# Altium PCB MB1297.PcbDoc (part 3 of 4)
Units mm, origin at the board's own origin, x right, y up, seen from the top; angles counter-clockwise.
Board outline 90.1 x 62.11 mm, 4 copper layers (Top Layer, GND, POWER+GND, Bottom Layer), stack 0.778 mm thick; 235 components, 174 nets, 1727 pads, 1 vias.
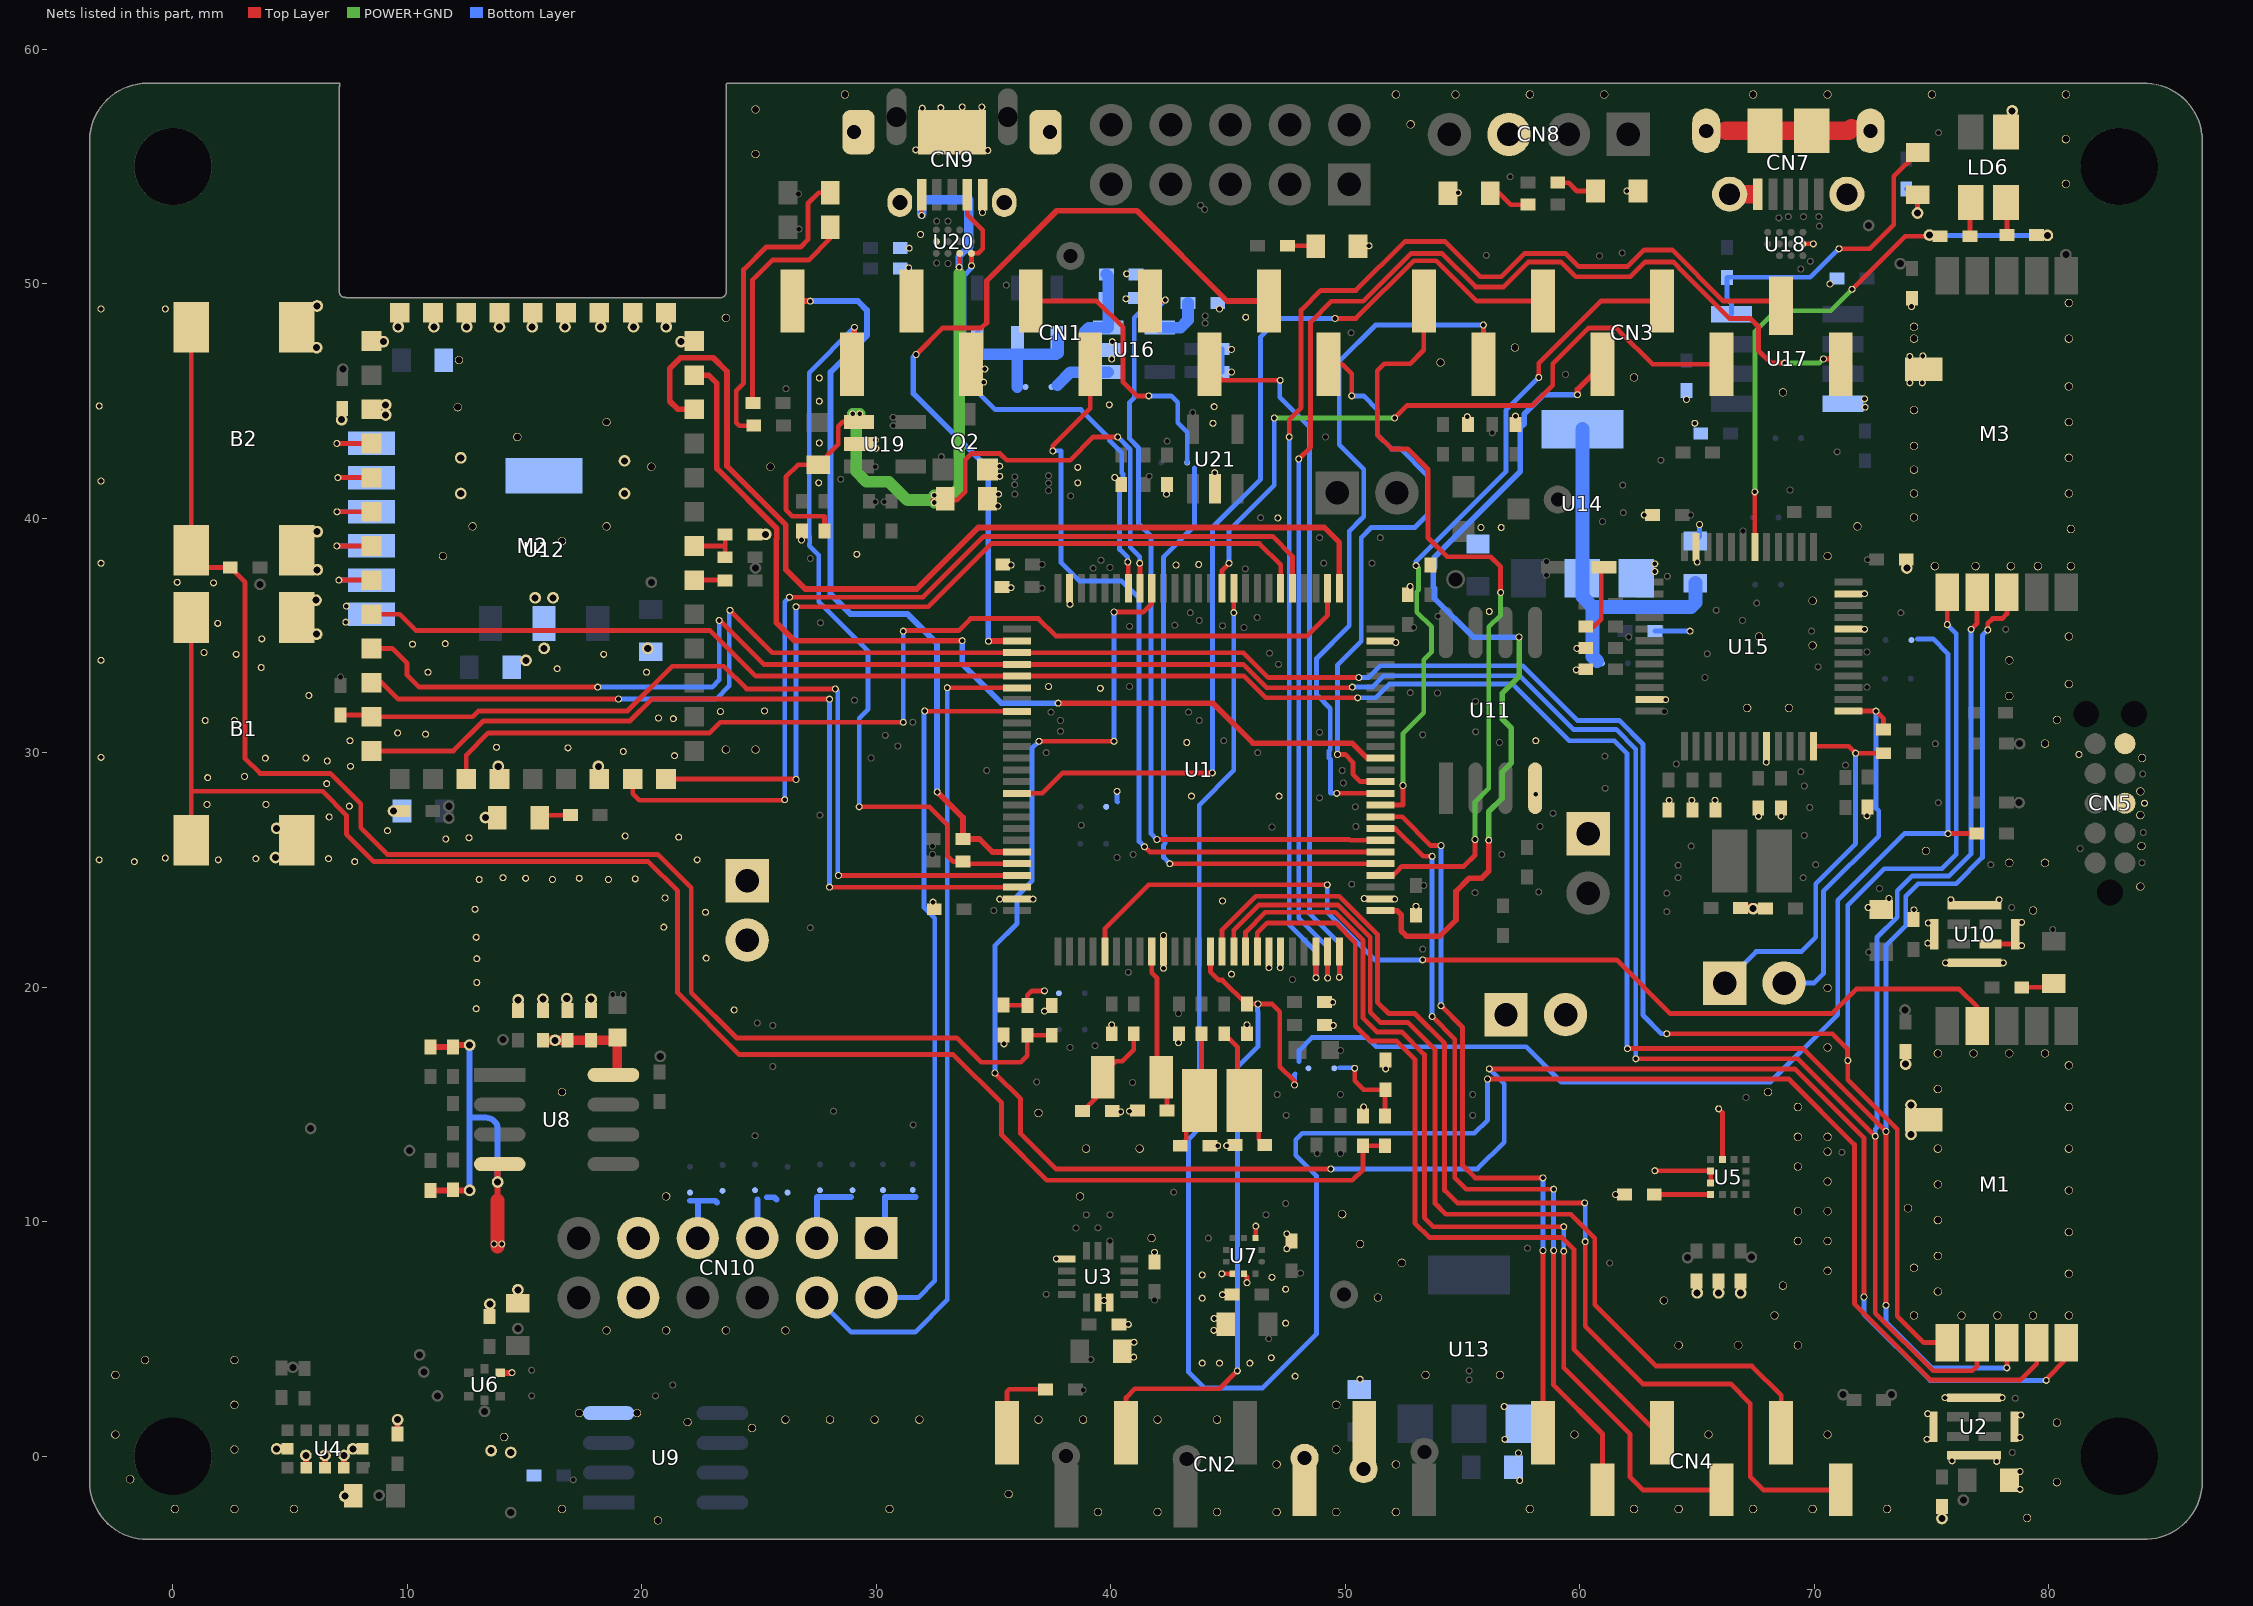
[diagram p5: the nets of this part, all layers, seen from the top]

## Via types
v1: diameter 0.4, hole 0.2, Top Layer to Bottom Layer, tented both sides, 1 vias

## Nets (pads, with @x,y where several pads share a name; then routed paths per layer and width w, separated by ;. In a path a pad name is that pad's centre, name@x,y a point inside that pad or via, vN(x,y) a via of type N, cw(c..) or ccw(c..) an arc to the next point about the centre after c; other vN are vias at no path point) (continued)
GND: B1.2 B2.2 C1.2 C2.2 C3.1 C4.2 C5.2 C6.1 C7.2 C8.1 C9.2 C10.2 C11.2 C12.2 C13.2 C14.2 C15.2 C16.2 C17.1 C18.2 C19.2 C20.2 C21.2 C22.2 C23.2 C24.2 C25.2 C26.2 C27.2 C28.2 C29.2 C30.2 C31.2 C32.2 C33.2 C34.2 C35.2 C36.2 C37.2 C38.2 C39.2 C40.2 C41.2 C42.2 C43.2 C44.2 C45.2 C46.2 C47.2 C48.2 C49.2 C50.2 C51.1 C52.1 C53.2 C54.2 C55.2 C56.2 C57.2 C58.2 C59.2 C60.2 C61.2 C62.2 C63.2 C64.2 C65.2 C66.2 C67.2 C68.2 C69.2 C71.2 C72.2 C73.2 C74.2 C75.2 C76.2 CN1.7 CN2.6 CN2.7 CN5.3 CN5.5 CN7.5 CN7.6 CN7.7 CN7.8 CN7.9 CN7.10 CN7.11 CN8.3 CN9.5 CN9.6 CN9.7 CN9.8 CN9.9 CN9.10 CN10.5 CN10.11 JP6.1 JP6.2 JP7.1 JP7.2 JP8.1 LD1.K LD2.K LD3.K LD5.K LD6.1 M1.6 M2.1 M2.3 M2.17 M2.20 M2.35 M2.36 M2.37 M2.38 M2.39 M2.40 M2.41 M2.42 M2.43 M2.44 M3.6 pad.0@13.569,0.233 pad.0@-3.068,48.925 pad.1@14.407,0.157 pad.1@-0.325,48.925 pad.2@13.518,6.482 pad.2@14.712,7.091 pad.2@-3.144,25.43 pad.3@13.328,27.234 pad.3@-0.325,25.506 pad.4@-1.646,25.354 pad.5@7.333,-1.71 pad.5@63.658,32.263 pad.5@-3.068,29.799 pad.6@7.397,36.251 pad.6@15.829,34.447 pad.6@72.141,36.784 pad.6@-3.068,33.939 pad.7@7.371,35.565 pad.7@7.673,0.31 pad.7@15.448,36.606 pad.7@72.141,35.26 pad.7@-3.068,38.079 pad.8@7.295,0.03 pad.8@16.21,36.606 pad.8@31.882,52.1 pad.8@67.95,29.596 pad.8@-3.068,41.585 pad.9@6.482,0.03 pad.9@12.273,42.575 pad.9@-3.144,44.785 pad.10@1.732,37.241 pad.10@5.669,0.03 pad.10@12.273,41.051 pad.10@65.004,38.13 pad.11@0.183,37.267 pad.11@4.425,0.31 pad.11@19.258,42.448 pad.11@62.743,40.137 pad.12@1.91,35.514 pad.12@9.581,1.554 pad.12@19.258,41.051 pad.13@1.478,28.935 pad.14@3.053,28.986 pad.15@1.377,31.374 pad.15@59.873,34.447 pad.15@69.957,51.7 pad.16@2.621,31.374 pad.16@8.971,47.528 pad.16@59.848,33.533 pad.17@1.326,34.269 pad.17@9.606,48.163 pad.18@2.698,34.193 pad.18@11.13,48.163 pad.19@6.558,28.681 pad.19@12.527,48.163 pad.19@74.148,49.027 pad.20@7.524,27.716 pad.20@13.924,48.163 pad.21@1.936,25.43 pad.21@15.321,48.163 pad.22@3.536,25.481 pad.22@16.718,48.163 pad.23@1.453,27.792 pad.23@18.242,48.163 pad.24@3.968,27.792 pad.24@12.654,17.531 pad.24@19.639,48.163 pad.25@6.66,27.259 pad.25@12.654,11.333 pad.25@21.036,48.163 pad.26@6.635,25.481 pad.26@13.848,11.689 pad.26@21.671,47.528 pad.27@7.752,25.354 pad.27@14.725,19.461 pad.28@13.061,24.592 pad.28@15.779,19.487 pad.28@25.278,39.311 pad.29@12.934,19.08 pad.29@16.795,19.512 pad.29@31.4,51.516 pad.30@12.959,20.198 pad.30@17.836,19.487 pad.31@12.959,21.214 pad.32@12.934,22.128 pad.33@12.883,23.322 pad.34@14.077,24.668 pad.35@15.042,24.643 pad.36@16.185,24.592 pad.37@17.328,24.643 pad.37@44.735,7.777 pad.38@18.573,24.592 pad.38@45.801,7.396 pad.39@19.716,24.617 pad.39@75.443,-2.662 pad.40@20.935,22.56 pad.41@20.986,23.805 pad.41@46.182,9.809 pad.42@9.149,26.675 pad.43@11.638,26.319 pad.43@44.76,6.888 pad.44@12.629,26.37 pad.44@44.404,5.872 pad.45@19.284,26.446 pad.45@44.392,5.364 pad.45@50.78,14.889 pad.45@84.079,27.843 pad.46@21.57,26.395 pad.46@51.72,16.515 pad.46@81.285,29.926 pad.47@22.357,25.43 pad.48@22.713,23.195 pad.48@48.264,-0.072 pad.48@50.779,-0.555 pad.49@22.738,21.239 pad.50@23.932,19.029 pad.50@40.988,4.856 pad.51@13.797,30.231 pad.51@40.975,4.221 pad.52@16.845,30.205 pad.52@40.747,5.618 pad.53@19.208,30.053 pad.54@21.392,29.875 pad.54@41.864,8.692 pad.55@20.706,31.475 pad.55@39.705,6.634 pad.55@40.264,28.351 pad.56@14.458,3.561 pad.56@21.341,31.45 pad.56@74.122,14.965 pad.57@14.026,9.047 pad.57@23.348,31.755 pad.57@37.673,8.412 pad.57@74.122,13.721 pad.58@13.696,9.047 pad.58@25.227,31.78 pad.58@73.894,16.718 pad.59@20.198,33.431 pad.59@51.008,51.618 pad.59@74.072,46.893 pad.60@16.388,33.584 pad.60@74.63,46.919 pad.61@18.369,34.193 pad.61@50.805,23.779 pad.61@74.072,45.776 pad.62@10.876,33.431 pad.62@52.101,23.754 pad.62@74.605,45.776 pad.63@11.613,34.65 pad.63@53.015,23.449 pad.63@64.547,45.064 pad.64@10.216,34.625 pad.64@40.671,50.424 pad.64@58.12,30.51 pad.64@64.902,44.048 pad.65@3.942,29.768 pad.65@40.645,49.357 pad.65@58.12,28.224 pad.65@72.141,45.09 pad.66 pad.67@5.796,32.441 pad.67@45.141,46.233 pad.68@3.764,33.634 pad.69@3.79,34.854 pad.69@46.741,20.833 pad.69@52.151,34.701 pad.70@6.584,29.647 pad.70@56.8,0.716 pad.70@65.004,6.964 pad.71@7.574,29.418 pad.71@56.774,2.113 pad.71@65.918,6.964 pad.72@7.549,30.51 pad.72@57.384,0.132 pad.72@66.858,6.964 pad.73@9.581,30.84 pad.73@57.435,-1.037 pad.74@10.775,30.79 pad.74@56.647,39.603 pad.75@39.553,32.745 pad.75@55.784,39.603 pad.76@37.343,32.822 pad.76@72.294,23.398 pad.77@73.183,23.779 pad.78@74.249,23.297 pad.80@74.859,22.738 pad.81@73.945,37.876 pad.81@74.84,21.874 pad.82@31.958,57.485 pad.82@67.391,23.347 pad.82@75.824,23.728 pad.83@32.746,57.51 pad.83@77.882,23.728 pad.84@7.193,44.201 pad.84@34.498,57.536 pad.84@78.84,22.763 pad.85@9.073,44.836 pad.85@34.752,55.682 pad.85@78.84,21.773 pad.86@9.073,44.404 pad.86@31.679,55.707 pad.86@75.596,21.036 pad.87@33.66,57.536 pad.87@78.059,21.036 pad.88@15.055,33.939 pad.88@34.524,53.04 pad.89@20.249,34.447 pad.89@34.625,46.36 pad.89@75.57,2.494 pad.90@34.575,45.801 pad.90@78.009,2.494 pad.91@9.403,27.513 pad.91@63.2,12.171 pad.91@78.807,1.757 pad.92@13.874,29.418 pad.92@65.918,14.813 pad.92@78.771,0.792 pad.93@18.141,29.418 pad.93@35.438,17.582 pad.94@4.425,26.776 pad.94@37.165,18.979 pad.95@4.374,25.532 pad.95@74.834,1.808 pad.96 pad.97@6.127,35.057 pad.97@38.258,36.327 pad.97@75.875,-0.198 pad.98 pad.99@6.152,37.8 pad.99@78.771,-0.656 pad.100 pad.101@6.127,47.274 pad.101@50.627,3.281 pad.105@47.452,7.117 pad.106@47.452,5.669 pad.106@72.243,27.31 pad.107@46.868,7.625 pad.107@67.62,27.284 pad.107@78.44,57.37 pad.108@43.896,7.726 pad.108@68.585,27.284 pad.109@43.896,6.736 pad.109@65.766,27.97 pad.110@43.896,3.967 pad.110@64.775,27.97 pad.111@44.633,3.967 pad.111@63.81,27.97 pad.112@42.245,22.204 pad.112@45.928,3.967 pad.113@42.245,20.807 pad.113@46.843,4.196 pad.114 pad.115@45.141,20.553 pad.115@49.459,19.36 pad.116@44.76,23.678 pad.116@49.484,18.369 pad.117@47.173,28.148 pad.118 pad.119 pad.120 pad.121@40.036,18.394 pad.121@43.744,38.029 pad.122 pad.123 pad.124 pad.125 pad.126@44.354,44.048 pad.126@54.818,53.878 pad.127 pad.128@35.743,37.038 pad.128@45.751,48.57 pad.129@27.564,45.979 pad.130@27.564,44.988 pad.131@27.564,43.21 pad.132@27.539,41.508 pad.133@29.164,38.46 pad.136@35.26,23.754 pad.137@36.683,23.754 pad.142 pad.143@52.761,37.089 pad.149@61.524,11.155 pad.173 pad.175 pad.217 pad.218 pad.219 pad.222 pad.225 pad.226 pad.231 pad.232 pad.233 pad.234 pad.235 pad.236 pad.237 pad.249 pad.250 pad.251 pad.252 pad.253 pad.254 pad.255 pad.256 pad.257 pad.258 pad.259 pad.260 pad.261 pad.262 pad.263 pad.264 pad.265 pad.266 pad.267 pad.268 pad.269 pad.270 pad.271 pad.272 pad.273 pad.274 pad.275 pad.276 pad.277 pad.278 pad.279 pad.280 pad.281 pad.282 pad.283 pad.284 pad.285 pad.286 pad.287 pad.288 pad.289 pad.290 pad.291 pad.292 pad.293 pad.294 pad.295 pad.296 pad.297 pad.298 pad.299 pad.300 pad.301 pad.302 pad.303 pad.304 pad.305 pad.306 pad.307 pad.308 pad.309 pad.310 pad.311 pad.312 pad.313 pad.314 pad.315 pad.316 pad.317 pad.318 pad.319 pad.320 pad.321 pad.322 pad.327 pad.328 pad.329 pad.330 pad.331 pad.332 pad.333 pad.334 pad.335 pad.336 pad.337 pad.338 pad.339 pad.340 pad.341 pad.342 pad.343 pad.344 pad.345 pad.346 pad.347 pad.348 pad.349 pad.350 pad.351 pad.352 pad.353 pad.354 pad.355 pad.356 pad.357 pad.358 pad.359 pad.360 pad.361 pad.362 pad.363 pad.364 pad.365 pad.366 pad.367 pad.368 pad.369 pad.370 pad.371 pad.372 pad.373 pad.374 pad.375 pad.376 pad.377 pad.378 pad.379 pad.380 pad.381 pad.382 pad.383 pad.384 pad.385 pad.386 pad.387 pad.388 pad.389 pad.390 pad.391 pad.392 pad.393 pad.394 pad.395 pad.396 pad.397 pad.398 pad.399 pad.400 pad.401 pad.402 pad.403 pad.404 pad.405 pad.406 pad.407 pad.408 pad.409 pad.410 pad.411 pad.412 pad.413 pad.414 pad.415 pad.416 pad.417 pad.418 pad.420 pad.421 pad.422 pad.423 pad.424 pad.425 pad.426 pad.427 pad.428 pad.429 pad.430 pad.431 pad.432 pad.433 pad.434 Q2.2 R1.1 R27.2 R29.2 R31.2 R36.2 R38.1 R41.2 R46.1 R53.1 R54.2 R59.1 R64.2 SB13.1 TP6.1 U1.10 U1.19 U1.20 U1.27 U1.49 U1.74 U1.99 U2.5 U3.1 U3.6 U3.7 U4.2 U4.3 U4.4 U4.6 U4.12 U5.2 U5.3 U5.12 U6.5 U7.3 U7.8 U7.9 U8.4 U9.4 U10.2 U10.5 U11.4 U12.2 U13.1 U14.1 U15.8 U15.20 U15.23 U15.35 U15.47 U16.2 U17.4 U18.D2 U19.2 U20.D2 U21.2 | length 39.4
  Top Layer w0.2: U10.2@77.515,21.841 78.499,21.841 78.542,21.798 U10.5@78.542,21.841
  Top Layer w0.204: pad.37@44.735,7.777 U7.8@45.174,7.777 ; U7.9@45.674,7.777 45.801,7.65 pad.38@45.801,7.396 ; U7.3@46.174,9.302 pad.41@46.174,9.801 ; pad.91@63.2,12.171 65.579,12.171 U5.3@65.579,11.654 ; pad.92@65.918,14.813 66.079,14.653 U5.12@66.079,12.654 ; U18.D2@69.526,51.701 pad.15@69.894,51.701
  Top Layer w0.254: pad.11@4.425,0.31 U4.6@4.882,0.31 ; U4.4@5.669,-0.478 pad.10@5.669,0.03 ; U4.3@6.482,-0.49 pad.9@6.482,0.03 ; U4.2@7.295,-0.478 pad.8@7.295,0.03 ; pad.7@7.673,0.31 U4.12@8.082,0.31 ; C22.2@9.581,0.945 pad.12@9.581,1.554 ; C72.2@10.978,11.333 pad.25@12.654,11.333 ; C69.2@10.978,17.455 C53.2@11.943,17.455 12.019,17.531 pad.24@12.654,17.531 ; pad.0@13.569,0.233 pad.0@13.574,0.228 ; 13.848,10.901 pad.26@13.848,11.689 13.848,12.234 cw(c14.154,12.234) U8.4@13.938,12.451 ; U6.5@13.964,3.553 14.45,3.553 pad.56@14.458,3.561
  Top Layer w0.4: C52.1@66.858,23.373 67.899,23.373 C51.1@67.925,23.347
  Top Layer w0.6: 13.848,8.946 13.848,10.901
  Top Layer w0.8: 66.248,56.52 71.481,56.52 71.582,56.621 ; CN7.7@66.39,53.818 67.341,53.818
  Bottom Layer w0.204: pad.55@40.264,28.351 40.264,27.919 40.29,27.894 ; C55.2@44.735,46.233 C59.2@44.735,47.223 ; C42.2@63.2,35.184 pad.222@64.699,35.184 ; C41.2@64.928,39.032 65.105,39.21 pad.217@65.105,39.73
  Bottom Layer w0.254: pad.25@12.654,11.333 12.654,14.432 ; pad.24@12.654,17.531 12.654,14.432 ; pad.26@13.848,11.689 13.848,13.973 ccw(c13.415,13.973) 13.721,14.28 ccw(c13.353,13.912) 13.353,14.432 12.654,14.432
LDO_3V3: C41.1 SB4.1 U14.2 U14.4 | length 15.4
  Bottom Layer w0.6: U14.4@60.106,43.794 U14.2@60.106,37.444 60.106,36.653 60.541,36.217 ; 60.737,33.914 60.541,34.109 60.541,36.217 ; C41.1@64.928,37.228 64.928,36.403 64.742,36.217 60.541,36.217
LED_STLINK: pad.18@67.464,41.123 pad.110@74.91,52.075 pad.111@79.939,52.062 pad.238 R44.1 R47.1 U15.30 | length 23.3
  Top Layer w0.204: U15.30@67.464,38.773 pad.18@67.464,41.123 ; pad.238@71.608,49.763 73.872,52.027 74.862,52.027 pad.110@74.91,52.075
  POWER+GND w0.204: pad.18@67.468,41.178 67.468,47.96 68.357,48.849 70.693,48.849 pad.238@71.608,49.763
  Bottom Layer w0.204: pad.110@74.91,52.075 74.923,52.062 pad.111@79.939,52.062
NetB1_1: B1.1 C35.1 R19.2 | length 73.2
  Top Layer w0.204: B1.1@0.778,26.268 0.778,28.351 ; B1.1@1.438,36.428 B1.1@0.778,35.768 0.778,28.351 ; R19.2@51.694,13.238 C35.1@50.754,13.238 50.754,12.222 50.297,11.765 37.267,11.765 35.337,13.695 35.337,15.067 33.279,17.124 24.161,17.124 21.519,19.766 21.519,24.109 20.274,25.354 8.565,25.354 7.397,26.522 7.397,27.335 6.381,28.351 0.778,28.351
NetB2_1: B2.1 C37.1 R23.1 R24.2 | length 63.9
  Top Layer w0.204: B2.1@0.778,48.138 B2.1@0.778,38.638 1.514,37.902 R23.1@2.444,37.902 3.079,37.267 3.079,29.748 3.714,29.113 6.711,29.113 8.006,27.818 8.006,26.802 9.148,25.66 20.68,25.66 22.103,24.236 22.103,19.766 24.034,17.836 33.432,17.836 34.473,16.794 36.149,16.794 36.438,17.082 R24.2@36.438,17.952 C37.1@37.479,17.952
NetC2_1: C2.1 R5.2 X1.2 | length 5.3
  Top Layer w0.204: C2.1@42.957,13.238 43.211,13.492 43.211,14.595 X1.2@43.785,15.169 ; X1.2@43.505,15.143 43.871,15.509 R5.2@43.871,18.013
NetC3_2: C3.2 CN2.3 pad.35@45.395,3.637 pad.36@46.271,19.283 pad.43@47.833,15.829 pad.72@75.697,26.548 R34.2 SB2.1 SB8.1 U1.14 | length 78
  Top Layer w0.204: CN2.3@40.646,1.001 40.646,2.495 41.026,2.875 44.633,2.875 pad.35@45.395,3.637 ; U1.14@44.244,21.516 44.244,20.663 44.606,20.301 44.76,20.301 45.777,19.283 C3.2@45.801,19.283 pad.36@46.271,19.283 46.868,19.283 47.199,18.952 47.199,16.616 47.833,15.981 pad.43@47.833,15.829 ; pad.72@75.697,26.548 R34.2@76.929,26.548
  Bottom Layer w0.204: pad.35@45.395,3.637 45.395,16.591 46.271,17.467 46.271,18.962 46.256,18.977 46.256,19.268 pad.36@46.271,19.283 ; pad.43@47.833,15.829 47.833,16.286 47.859,16.312 ; 48.024,16.82 48.024,17.298 48.574,17.849 50.919,17.849 51.312,17.456 57.712,17.456 59.213,15.956 68.128,15.956 70.998,18.826 70.998,23.71 73.836,26.548 pad.72@75.697,26.548 75.697,34.219 75.062,34.854 74.402,34.854
NetC4_1: C4.1 R7.2 X1.1 | length 5.4
  Top Layer w0.204: R7.2@44.836,18.013 45.405,17.444 X1.1@45.405,15.143 ; X1.1@45.685,15.169 46.309,14.544 46.309,13.518 C4.1@46.563,13.264
NetC14_1: C14.1 R12.2 X2.1 | length 4.4
  Top Layer w0.204: C14.1@38.791,14.711 39.649,15.57 X2.1@39.649,16.159 39.649,16.281 40.213,16.845 40.493,16.845 40.975,17.328 R12.2@40.975,18.013
NetC15_1: C15.1 U1.9 X2.2 | length 7
  Top Layer w0.204: U1.9@41.744,21.516 41.744,20.623 41.966,20.401 41.966,18.039 41.966,16.342 X2.2@42.149,16.159 42.398,15.911 C15.1@42.398,14.737
NetC23_1: C23.1 U5.4 | length 2.4
  Top Layer w0.204: C23.1@63.176,11.154 U5.4@65.579,11.154
NetC32_1: C32.1 C67.1 C68.1 L2.1 pad.31@16.299,17.734 U8.8 | length 4.6
  Top Layer w0.4: C67.1@15.779,17.734 C68.1@16.82,17.734 C32.1@17.836,17.734 18.839,17.734 L2.1@18.954,17.848 U8.8@18.954,16.427
NetC34_1: C34.1 pad.44@50.399,16.54 R19.1 SB2.2 | length 3.8
  Top Layer w0.204: pad.44@50.399,16.54 50.399,16.007 50.78,15.626 C34.1@51.72,15.626 51.694,15.6 R19.1@51.694,14.508
  Bottom Layer w0.204: 49.738,16.566 50.373,16.566 pad.44@50.399,16.54
NetC36_1: C36.1 pad.47@37.165,19.842 R24.1 SB3.2 | length 2.3
  Top Layer w0.204: C36.1@35.413,19.233 36.427,19.233 R24.1@36.438,19.222 36.438,19.648 36.632,19.842 pad.47@37.165,19.842
NetC56_1: C56.1 C57.1 SB10.1 U16.1 U16.3 | length 7.5
  Bottom Layer w0.5: 37.724,45.674 38.276,46.226 38.893,46.226 ; C56.1@39.807,50.398 39.893,50.312 U16.3@39.893,48.126 39.058,48.126 38.891,47.959 38.891,46.729 38.893,46.728 38.893,46.226 ; U16.1@39.893,46.226 38.893,46.226
NetC58_1: C58.1 U16.4 | length 2.1
  Bottom Layer w0.5: U16.4@42.093,48.126 42.97,48.126 43.287,48.443 C58.1@43.287,49.179
NetC66_1: C66.1 CN9.1 pad.0@31.928,52.913 pad.4@33.533,50.703 pad.20@29.291,44.455 pad.21@32.466,40.975 pad.22@32.466,40.67 pad.126@28.987,44.455 pad.179 pad.181 R57.1 R61.2 U1.68 U19.1 U20.B3 | length 49.7
  Top Layer w0.2: pad.4@33.555,50.648 U20.B3@33.555,51.295
  Top Layer w0.204: R57.1@27.788,39.451 27.788,40.086 26.421,40.086 26.142,40.365 26.142,41.762 26.663,42.283 R61.2@27.513,42.283 28.377,43.147 28.377,43.921 28.565,44.109 U19.1@29.258,44.109 ; pad.0@31.928,52.964 CN9.1@31.928,53.792 ; pad.22@32.416,40.772 33.432,40.772 33.787,41.127 33.787,42.499 34.047,42.758 35.272,42.758 35.557,42.474 38.258,42.474 39.248,43.464 pad.181@40.29,43.464 ; pad.179@41.229,38.079 41.244,38.065 U1.68@41.244,37.016
  POWER+GND w0.5: pad.126@28.987,44.455 pad.20@29.291,44.455 29.139,44.302 29.139,41.991 29.571,41.559 30.536,41.559 31.323,40.772 pad.22@32.466,40.772 ; pad.22@32.466,40.67 pad.22@32.466,40.772 ; pad.21@32.466,40.975 pad.22@32.466,40.772 ; 33.533,50.446 33.533,41.305 33,40.772 pad.22@32.466,40.772
  Bottom Layer w0.204: pad.181@40.29,43.464 40.824,42.93 40.824,41.567 40.823,41.566 40.823,38.765 41.229,38.359 pad.179@41.229,38.079
  Bottom Layer w0.3: pad.4@33.524,50.703 33.524,51.154 33.94,51.57
  Bottom Layer w0.4: pad.0@31.928,52.964 31.928,53.573 33.94,53.573 33.94,51.57
NetCN1_1: CN1.1 pad.58@50.272,45.217 pad.141@49.662,29.926 U1.37 | length 24.5
  Top Layer w0.204: CN1.1@49.282,46.561 49.867,46.561 50.272,46.157 pad.58@50.272,45.217 ; pad.141@49.662,29.926 49.992,29.926 50.323,29.596 50.323,29.088 50.645,28.766 U1.37@51.494,28.766
  Bottom Layer w0.204: pad.141@49.662,29.926 49.662,33.736 50.678,34.752 50.678,39.172 51.11,39.603 52.964,39.603 53.498,40.137 53.498,41.813 52.355,42.956 51.974,42.956 51.364,43.566 51.364,44.633 50.78,45.217 pad.58@50.272,45.217
NetCN1_2: CN1.2 pad.27@31.691,46.982 pad.95@34.778,34.752 U1.77 | length 35.1
  Top Layer w0.204: pad.27@31.691,46.982 32.825,48.115 34.476,48.115 34.702,48.341
  Top Layer w0.24: 34.702,48.341 34.702,50.119 37.694,53.112 41.107,53.112 44.957,49.261 CN1.2@46.742,49.261 ; pad.95@34.778,34.752 34.791,34.766 U1.77@35.994,34.766
  Bottom Layer w0.24: pad.27@31.691,46.982 31.577,46.868 31.577,45.318 34.778,42.118 pad.95@34.778,34.752
NetCN1_3: CN1.3 pad.23@47.222,45.879 pad.72@49.744,20.421 U1.25 | length 30.9
  Top Layer w0.204: CN1.3@44.202,46.435 44.758,45.879 pad.23@47.222,45.879 ; pad.72@49.744,20.421 U1.25@49.744,21.516
  Bottom Layer w0.204: pad.23@47.222,45.879 47.198,45.855 47.198,45.166 48.468,43.896 48.468,23.144 49.744,21.869 pad.72@49.744,20.421
NetCN1_4: CN1.4 pad.63@42.322,49.306 pad.83@41.966,26.295 U1.32 | length 34.7
  Top Layer w0.204: CN1.4@41.662,49.261 42.277,49.261 pad.63@42.322,49.306 ; pad.83@41.966,26.295 50.163,26.295 50.193,26.266 U1.32@51.494,26.266
  Bottom Layer w0.204: pad.83@41.966,26.295 41.712,26.549 41.712,39.222 41.179,39.756 41.179,43.008 40.798,43.389 40.798,44.937 41.001,45.141 41.001,48.544 41.233,48.776 41.792,48.776 pad.63@42.322,49.306
NetCN1_5: CN1.5 pad.38@37.525,42.868 pad.73@41.433,25.989 U1.31 | length 34.3
  Top Layer w0.204: pad.38@37.525,42.868 37.525,43.088 39.122,44.684 CN1.5@39.122,46.561 ; pad.73@41.433,25.989 41.656,25.766 U1.31@51.494,25.766
  Bottom Layer w0.204: pad.38@37.525,42.868 37.877,42.88 37.877,38.105 38.664,37.317 40.467,37.317 41.204,36.581 41.204,26.218 pad.73@41.433,25.989
NetCN1_6: CN1.6 pad.84@42.512,25.266 pad.171 SB1.1 U1.30 | length 38.7
  Top Layer w0.204: CN1.6@36.582,49.261 39.395,49.261 40.518,48.138 40.518,45.801 41.102,45.217 pad.171@41.619,45.217 ; pad.84@42.512,25.266 U1.30@51.494,25.266
  Bottom Layer w0.204: pad.171@41.619,45.217 42.576,45.217 42.855,44.937 42.855,44.074 43.253,43.675 SB1.1@43.253,42.372 ; pad.84@42.512,25.266 42.245,25.532 42.245,26.074 42.32,26.148 42.32,26.442 42.245,26.516 42.245,38.359 43.566,39.68 43.566,42.143
NetCN1_8: CN1.8 pad.28@31.374,50.678 R2.1
NetCN1_9: CN1.9 pad.108@29.266,27.691 pad.110@29.063,48.138 R8.2 U1.96 | length 32.6
  Top Layer w0.204: CN1.9@28.962,46.561 29.063,46.662 pad.110@29.063,48.138 ; pad.108@29.266,27.691 32.263,27.691 33.025,26.929 33.025,25.608 33.279,25.354 R8.2@33.686,25.354 ; R8.2@33.774,25.266 U1.96@35.994,25.266
  Top Layer w0.254: R8.2@33.686,25.354 R8.2@33.774,25.266
  Bottom Layer w0.204: pad.110@29.063,48.138 27.132,46.207 27.132,39.24 27.156,39.217 27.156,38.923 27.132,38.9 27.132,38.834 27.537,38.429 27.537,36.43 29.647,34.32 29.647,31.856 29.266,31.475 pad.108@29.266,27.691
NetCN1_10: CN1.10 pad.109@32.593,28.326 pad.111@27.183,49.255 R9.2 U1.95 | length 32.8
  Top Layer w0.254: CN1.10@26.422,49.261 27.177,49.261 pad.111@27.183,49.255 ; pad.109@32.593,28.326 33.686,27.234 R9.2@33.686,26.319 34.397,26.319 34.95,25.766 U1.95@35.994,25.766
  Bottom Layer w0.254: pad.111@27.183,49.255 29.215,49.255 29.596,48.874 29.596,47.782 28.047,46.233 28.047,36.759 28.885,35.92 31.323,35.92 32.593,34.65 pad.109@32.593,28.326
NetCN2_1: CN2.1 R3.2 | length 3.4
  Top Layer w0.204: CN2.1@35.566,1.001 35.566,2.749 35.667,2.85 R3.2@37.216,2.85
NetCN3_1: CN3.1 pad.25@48.011,42.524 pad.67@68.738,46.614 pad.69@70.389,46.792 pad.71@49.244,20.389 U1.24 | length 57.4
  Top Layer w0.204: pad.25@48.011,42.524 48.519,43.032 48.519,48.366 49.408,49.255 50.754,49.255 52.786,51.287 54.133,51.287 55.555,49.865 56.749,49.865 57.816,50.932 59.186,50.932 59.821,50.297 62.159,50.297 62.794,50.932 63.984,50.932 64.22,50.696 64.22,50.674 66.375,48.519 67.264,48.519 67.62,48.163 67.62,47.147 68.153,46.614 pad.67@68.738,46.614 ; pad.71@49.244,20.389 U1.24@49.244,21.516 ; pad.69@70.389,46.792 CN3.1@70.896,46.792
  POWER+GND w0.204: pad.67@68.738,46.614 70.211,46.614 pad.69@70.389,46.792
  Bottom Layer w0.204: pad.25@48.011,42.524 48.011,22.941 49.244,21.708 pad.71@49.244,20.389
NetCN3_2: CN3.2 pad.24@47.605,43.464 pad.70@48.748,20.401 U1.23 | length 54.4
  Top Layer w0.204: pad.24@47.605,43.464 47.605,44.201 48.113,44.709 48.113,48.874 48.951,49.713 50.45,49.713 52.532,51.795 54.26,51.795 55.758,50.297 56.647,50.297 57.638,51.287 59.39,51.287 59.949,50.729 62.032,50.729 62.743,51.44 63.937,51.44 66.116,49.261 CN3.2@68.586,49.261 ; U1.23@48.744,21.516 48.744,20.405 pad.70@48.748,20.401
  Bottom Layer w0.204: pad.24@47.605,43.464 47.605,22.662 48.748,21.519 pad.70@48.748,20.401
NetCN3_3: CN3.3 pad.202 pad.203 pad.204 U1.61 | length 30
  Top Layer w0.204: U1.61@44.744,37.016 44.744,37.784 pad.202@45.039,38.079 ; pad.204@52.101,44.277 52.634,44.81 57.993,44.81 58.845,45.662 58.845,46.588 60.372,48.115 61.561,48.115 61.68,47.996 61.68,47.982 63.101,46.561 CN3.3@66.046,46.561
  POWER+GND w0.204: pad.203@46.97,44.277 pad.204@52.101,44.277
  Bottom Layer w0.204: pad.202@45.039,38.079 45.039,39.476 46.97,41.407 pad.203@46.97,44.277
NetCN3_4: CN3.4 pad.224 pad.229 pad.230 U1.35 | length 29.2
  Top Layer w0.204: U1.35@51.494,27.766 52.458,27.766 pad.229@52.458,28.604 ; pad.224@58.247,46.004 58.247,46.614 60.895,49.261 CN3.4@63.506,49.261
  POWER+GND w0.204: pad.229@52.458,28.604 52.458,30.816 53.345,31.704 53.345,33.965 53.675,34.295 53.675,35.362 53.04,35.997 53.04,36.868 53.115,36.942 53.115,37.878 pad.230@53.015,37.978
  Bottom Layer w0.204: pad.230@53.015,37.952 pad.230@53.015,37.978 53.015,38.156 56.85,41.991 56.85,44.607 pad.224@58.247,46.004
NetCN3_5: CN3.5 pad.52@56.114,26.268 pad.223 pad.228 U1.26 | length 36.3
  Top Layer w0.24: U1.26@51.494,23.266 52.208,23.266 52.38,23.093 52.38,22.408 52.609,22.179 54.031,22.179 54.717,22.865 54.717,24.084 55.276,24.643 55.809,24.643 56.114,24.948 pad.52@56.114,26.268 ; pad.223@59.898,45.268 59.898,45.493 CN3.5@60.966,46.561
  POWER+GND w0.24: pad.52@56.114,26.268 56.114,27.488 56.698,28.072 56.698,29.189 57.079,29.57 57.079,31.044 56.698,31.425 56.698,32.542 57.409,33.253 pad.228@57.409,34.93
  Bottom Layer w0.24: pad.228@57.409,34.93 55.453,34.93 53.802,36.581 53.802,37.019 53.752,37.07 53.752,37.844 53.802,37.895 53.802,38.333 57.46,41.991 57.46,43.862 57.629,44.03 57.629,44.446 58.451,45.268 pad.223@59.898,45.268
NetCN3_6: CN3.6 pad.65@44.328,29.139 pad.75@49.561,48.519 U1.90 | length 42.2
  Top Layer w0.204: U1.90@35.994,28.266 37.08,28.266 37.953,29.139 pad.65@44.328,29.139 ; pad.75@49.561,48.519 50.451,48.519 52.913,50.981 53.88,50.981 55.6,49.261 CN3.6@58.426,49.261
  Bottom Layer w0.204: pad.65@44.328,29.139 44.328,39.603 46.386,41.661 46.386,47.731 47.173,48.519 pad.75@49.561,48.519
NetCN3_7: CN3.7 pad.57@55.885,48.239 pad.140@49.637,28.266 U1.36 | length 30.6
  Top Layer w0.204: pad.140@49.637,28.266 U1.36@51.494,28.266 ; pad.57@55.885,48.239 pad.57@55.885,48.239 CN3.7@55.886,46.561
  Bottom Layer w0.204: pad.140@49.637,28.266 49.367,28.266 49.367,29.721 49.308,29.779 49.308,30.073 49.356,30.121 49.356,31.884 48.774,32.466 48.774,34.017 50.17,35.412 50.17,39.451 50.667,39.948 ; 50.668,39.948 50.787,40.067 50.787,42.086 49.738,43.135 49.738,46.69 51.288,48.239 pad.57@55.885,48.239
NetCN3_8: CN3.8 pad.54@55.53,26.294 pad.55@56.622,36.835 U1.29 | length 33.6
  Top Layer w0.204: U1.29@51.494,24.766 52.033,24.766 52.298,25.031 52.298,25.043 52.405,25.151 55.047,25.151 55.53,25.633 pad.54@55.53,26.294 ; CN3.8@53.346,49.261 53.346,47.174 52.761,46.588 51.669,46.588 51.364,46.284 51.364,43.566 51.974,42.956 52.659,42.956 53.524,42.091 53.524,39.17 54.336,38.359 56.19,38.359 56.622,37.927 pad.55@56.622,36.835
  POWER+GND w0.204: pad.54@55.53,26.294 55.53,27.894 56.114,28.478 56.114,35.362 56.622,35.87 pad.55@56.622,36.835
NetCN4_1: CN4.1 pad.77@58.426,8.768 pad.81@58.426,11.866 pad.88@54.082,26.04 pad.90@54.082,19.207 U1.34 | length 31.6
  Top Layer w0.204: U1.34@51.494,27.266 52.424,27.266 53.65,26.04 pad.88@54.082,26.04 ; pad.90@54.082,19.207 54.996,18.293 54.996,12.4 55.531,11.866 pad.81@58.426,11.866 ; CN4.1@58.426,1.001 pad.77@58.426,8.768
  Bottom Layer w0.204: pad.90@54.082,19.283 pad.88@54.082,26.04 ; pad.81@58.426,11.866 pad.81@58.426,11.866 pad.77@58.426,8.768
NetCN4_2: CN4.2 pad.78@58.882,8.768 pad.82@58.882,11.384 pad.87@53.701,25.583 pad.89@53.701,18.75 U1.33 | length 34.9
  Top Layer w0.204: U1.33@51.494,26.766 52.137,26.766 53.32,25.583 pad.87@53.701,25.583 ; pad.89@53.701,18.75 54.666,17.785 54.666,11.867 55.149,11.384 pad.82@58.882,11.384 ; pad.78@58.882,8.768 58.882,3.027 60.966,0.944 CN4.2@60.966,-1.439
  Bottom Layer w0.204: pad.89@53.701,18.75 pad.87@53.701,25.583 ; pad.78@58.882,8.768 pad.82@58.882,11.384 pad.82@58.908,11.384
NetCN4_3: CN4.3 U1.18 | length 35.9
  Top Layer w0.204: U1.18@46.244,21.516 46.244,22.317 46.665,22.738 49.586,22.738 50.424,21.9 50.424,18.344 51.059,17.709 52.177,17.709 52.964,16.921 52.964,9.936 53.574,9.327 59.238,9.327 59.746,8.819 59.746,4.551 63.296,1.001 CN4.3@63.506,1.001
NetCN4_4: CN4.4 pad.75@59.314,9.784 pad.76@59.314,8.742 U1.17 | length 42.3
  Top Layer w0.204: U1.17@45.744,21.516 45.744,22.35 46.588,23.194 49.563,23.194 50.754,22.002 50.754,18.674 51.339,18.09 52.405,18.09 53.371,17.124 53.371,10.165 53.752,9.784 pad.75@59.314,9.784 ; pad.76@59.314,8.742 59.314,3.764 62.134,0.945 62.134,-0.884 62.688,-1.439 CN4.4@66.046,-1.439
  Bottom Layer w0.204: pad.76@59.314,8.742 pad.75@59.314,9.784
NetCN4_5: CN4.5 U1.16 | length 42.3
  Top Layer w0.204: U1.16@45.244,21.516 45.244,22.434 46.309,23.5 49.69,23.5 51.06,22.129 51.06,18.927 51.491,18.496 52.659,18.496 53.828,17.328 53.828,10.774 54.285,10.317 59.619,10.317 60.635,9.301 60.635,6.456 63.251,3.84 67.341,3.84 68.586,2.595 CN4.5@68.586,1.001
NetCN4_6: CN4.6 pad.79@60.229,9.149 pad.80@60.203,10.8 U1.15 | length 48.7
  Top Layer w0.204: U1.15@44.744,21.516 44.744,22.442 46.182,23.881 49.741,23.881 51.366,22.256 51.366,19.357 51.847,18.877 52.964,18.877 54.234,17.607 54.234,11.333 54.768,10.8 pad.80@60.203,10.8 ; pad.79@60.229,9.149 60.229,5.542 62.692,3.078 66.426,3.078 67.264,2.24 67.264,-0.884 67.819,-1.439 CN4.6@71.126,-1.439
  Bottom Layer w0.204: pad.80@60.203,10.8 60.229,10.774 pad.79@60.229,9.149
NetCN6_1: CN6.1 pad.102@71.76,29.977 R42.1 U15.12 | length 16.4
  Top Layer w0.204: U15.12@69.964,30.273 71.464,30.273 pad.102@71.76,29.977 R42.1@72.954,29.977
  Bottom Layer w0.204: CN6.1@66.172,20.172 67.518,21.519 69.449,21.519 70.058,22.128 70.058,24.414 71.76,26.116 pad.102@71.76,29.977
NetCN6_2: CN6.2 pad.103@72.631,31.773 R43.1 U15.13 | length 16.1
  Top Layer w0.204: U15.13@71.464,31.773 pad.103@72.631,31.773 72.954,31.45 R43.1@72.954,30.993
  Bottom Layer w0.204: CN6.2@68.712,20.172 69.982,20.172 70.389,20.579 70.389,24.084 72.748,26.443 72.748,27.523 72.631,27.64 pad.103@72.631,31.773
NetCN9_4: CN9.4 pad.5@34.055,50.766 pad.180 U1.69 U20.A3 | length 22.7
  Top Layer w0.204: CN9.4@33.878,53.792 33.878,52.949 34.54,52.288 34.54,51.485 34.35,51.295 U20.A3@34.055,51.295 pad.5@34.055,50.766 ; pad.180@40.721,38.13 40.744,38.108 U1.69@40.744,37.016
  Bottom Layer w0.204: pad.5@34.055,50.766 34.055,50.666 33.736,50.348 33.736,45.961 35.065,44.633 38.723,44.633 39.936,43.42 39.936,43.318 40.467,42.786 40.467,41.933 40.517,41.884 40.517,41.59 40.373,41.446 40.373,38.657 40.391,38.657 40.721,38.326 pad.180@40.721,38.13
NetCN10_1: CN10.1 SB14.1 SB19.1 | length 3.2
  Bottom Layer w0.254: CN10.1@30.003,9.301 30.358,9.657 30.358,11.054 31.679,11.054
NetCN10_2: CN10.2 SB12.1 SB15.1 | length 3.8
  Bottom Layer w0.254: CN10.2@27.031,9.733 CN10.2@27.463,9.301 27.463,11.054 28.91,11.054
NetCN10_3: CN10.3 SB18.1 SB20.2 | length 2.1
  Bottom Layer w0.254: CN10.3@24.923,9.301 24.923,10.952 ; 25.325,11.041 25.646,11.041 25.735,10.952
NetCN10_4: CN10.4 SB16.1 SB21.2 | length 2.7
  Bottom Layer w0.254: 22.052,10.891 23.129,10.891 23.195,10.825 ; CN10.4@22.383,9.301 22.383,10.825
NetCN10_7: CN10.7 pad.143@32.06,31.78 U1.83 | length 31.2
  Top Layer w0.204: pad.143@32.045,31.766 U1.83@35.994,31.766
  Bottom Layer w0.204: CN10.7@30.003,6.761 31.781,6.761 32.492,7.472 32.492,22.941 32.035,23.398 32.035,31.755 pad.143@32.06,31.78
NetCN10_8: CN10.8 pad.144@33.025,32.771 U1.81 | length 35.8
  Top Layer w0.204: pad.144@33.025,32.771 33.03,32.766 U1.81@35.994,32.766
  Bottom Layer w0.204: CN10.8@27.463,6.761 28.936,5.288 31.654,5.288 33.025,6.66 pad.144@33.025,32.771
NetD2_2: D2.2 R28.1 | length 3
  Top Layer w0.204: R28.1@60.254,35.387 60.61,35.387 60.914,35.692 60.914,37.79 D2.2@61.026,37.902
NetD3_2: D3.2 D4.2 D5.2 SB10.2 | length 6.2
  Bottom Layer w0.5: D4.2@34.321,47.728 34.321,46.995 37.673,46.995 37.75,47.071 ; 36.007,45.598 36.007,46.954 ; 37.75,47.046 D3.2@37.75,47.703
NetLD1_A: LD1.A R18.2 | length 1.8
  Top Layer w0.204: LD1.A@56.177,53.853 56.571,53.853 57.054,53.37 R18.2@57.79,53.37
NetLD2_A: LD2.A R20.2 | length 1.8
  Top Layer w0.204: R20.2@59.06,54.31 59.517,54.31 59.873,53.954 LD2.A@60.673,53.954
NetLD3_A: LD3.A R21.2 | length 1.4
  Top Layer w0.204: LD3.A@15.639,27.234 15.741,27.335 R21.2@16.947,27.335
NetLD4_K: LD4.K R22.2 | length 1.4
  Top Layer w0.204: R22.2@78.847,19.995 80.053,19.995 LD4.K@80.218,20.16
NetLD5_A: LD5.A R25.2 | length 1.2
  Top Layer w0.204: R25.2@47.529,51.618 48.71,51.618 LD5.A@48.735,51.592
NetLD6_2: LD6.2 R44.2 | length 1.4
  Top Layer w0.204: LD6.2@78.174,53.47 78.212,53.433 R44.2@78.212,52.075
NetLD6_3: LD6.3 R47.2 | length 1.5
  Top Layer w0.204: R47.2@76.637,52.024 76.637,53.433 LD6.3@76.674,53.47
NetLD7_A: LD7.A pad.1@74.402,53.015 R52.1 | length 2
  Top Layer w0.204: pad.1@74.402,53.015 LD7.A@74.402,53.789
  Bottom Layer w0.204: R52.1@73.919,54.043 74.402,53.561 pad.1@74.402,53.015
NetLD7_K: LD7.K pad.74@71.049,51.491 R49.1 U17.8 | length 13.2
  Top Layer w0.204: pad.74@71.049,51.491 72.37,51.491 73.386,52.507 73.386,54.577 LD7.K@74.402,55.593
  Bottom Layer w0.204: U17.8@66.464,48.697 66.464,49.167 66.274,49.357 R49.1@66.274,50.271 69.83,50.271 pad.74@71.049,51.491
NetLD8_K: LD8.K R56.2 | length 9.8
  Top Layer w0.204: R56.2@24.745,44.912 24.719,44.937 24.719,50.17 25.556,51.006 27.105,51.006 28.034,51.935 LD8.K@28.034,52.405
NetLD9_K: LD9.K R55.2 | length 13.4
  Top Layer w0.204: R55.2@24.77,43.947 24.161,43.947 24.027,44.08 24.027,45.445 24.338,45.756 24.338,50.602 25.303,51.566 26.776,51.566 27.082,51.872 27.082,53.421 27.539,53.878 LD9.K@28.034,53.878
NetM1_4: M1.4 pad.85@49.23,24.363 pad.92@53.294,21.163 U1.5 | length 43.5
  Top Layer w0.204: U1.5@39.744,21.516 39.744,22.497 41.61,24.363 pad.85@49.23,24.363 ; pad.92@53.294,21.163 61.575,21.163 63.865,18.872 70.74,18.872 71.786,19.918 76.18,19.918 76.942,19.156 M1.4@76.942,18.344
  Bottom Layer w0.204: pad.85@49.23,24.363 49.23,23.195 51.262,21.163 pad.92@53.294,21.163
NetM1_7: M1.7 M2.11 M3.7 pad.42@63.708,18.013 pad.137@50.577,33.203 pad.150@23.754,36.073 pad.154 pad.160 pad.169 U1.78 | length 120
  Top Layer w0.204: M2.11@8.467,32.988 8.907,32.988 9.606,32.288 pad.154@19.004,32.288 ; pad.150@23.754,36.073 25.561,34.266 U1.78@35.994,34.266 45.653,34.266 46.716,33.203 pad.137@50.577,33.203 ; pad.42@63.708,18.013 70.77,18.013 71.43,17.353 pad.169@71.43,16.87 71.43,16.058 73.538,13.949 73.538,5.974 74.668,4.844 M1.7@75.672,4.844 ; pad.160@75.672,35.463 M3.7@75.672,36.848
  Bottom Layer w0.204: pad.154@19.004,32.288 23.17,32.288 23.729,32.847 23.729,36.047 pad.150@23.754,36.073 ; pad.137@50.577,33.203 50.983,33.203 51.491,33.711 57.562,33.711 59.898,31.374 61.676,31.374 62.694,30.357 62.694,18.801 63.481,18.013 pad.42@63.708,18.013 ; pad.169@71.43,16.87 71.43,23.5 72.979,25.049 75.443,25.049 76.053,25.659 76.053,35.082 pad.160@75.672,35.463
NetM1_8: M1.8 M2.10 M3.8 pad.21@76.688,35.26 pad.25@72.598,13.645 pad.44@62.388,16.947 pad.138 pad.149@23.297,35.641 pad.153@18.115,32.796 U1.79 | length 125
  Top Layer w0.204: M2.10@8.467,34.445 8.465,34.447 9.352,34.447 9.987,33.812 9.987,33.304 10.495,32.796 pad.153@18.115,32.796 ; pad.149@23.297,35.666 25.198,33.766 U1.79@35.994,33.766 45.645,33.766 46.64,32.771 pad.138@50.297,32.771 ; pad.44@62.388,16.947 69.296,16.947 pad.25@72.598,13.645 72.598,6.101 75.062,3.637 76.739,3.637 76.942,3.84 M1.8@76.942,4.844 ; pad.21@76.688,35.26 76.942,35.514 M3.8@76.942,36.848
  Bottom Layer w0.204: pad.153@18.115,32.796 22.992,32.796 23.297,33.101 pad.149@23.297,35.641 ; pad.138@50.297,32.796 51.149,32.796 51.631,33.279 57.435,33.279 59.721,30.993 61.549,30.993 62.388,30.155 pad.44@62.388,16.947 ; pad.25@72.598,13.645 72.598,13.949 72.673,14.024 72.673,22.127 73.537,22.99 73.537,24.108 74.172,24.743 75.747,24.743 76.688,25.684 pad.21@76.688,35.26
NetM1_9: M1.9 M2.9 M3.9 pad.22@77.399,35.235 pad.27@73.056,13.848 pad.43@62.032,17.378 pad.139 pad.161 pad.163 U1.80 | length 123.1
  Top Layer w0.204: M2.9@8.467,35.902 9.676,35.902 10.368,35.209 22.916,35.209 24.86,33.266 U1.80@35.994,33.266 45.688,33.266 46.614,32.339 pad.139@50.526,32.339 ; pad.43@62.032,17.378 69.525,17.378 pad.27@73.056,13.848 pad.161@73.056,6.431 ; pad.22@77.399,35.235 77.399,35.514 77.602,35.717 78.009,35.717 78.212,35.92 M3.9@78.212,36.848 ; pad.163@78.212,3.764 M1.9@78.212,4.844
  Bottom Layer w0.204: pad.139@50.526,32.339 51.288,32.339 51.872,32.923 57.13,32.923 59.543,30.51 61.473,30.51 62.007,29.977 pad.43@62.007,17.378 ; pad.161@73.056,6.431 73.056,5.72 75.011,3.764 pad.163@78.212,3.764 ; pad.27@73.056,13.848 73.056,21.773 73.895,22.612 73.895,23.882 74.427,24.414 76.054,24.414 77.17,25.531 77.17,35.006 pad.22@77.399,35.235
NetM1_10: M1.10 pad.198 pad.199 U1.60 | length 93.8
  Top Layer w0.204: pad.198@45.244,35.973 U1.60@45.244,37.016 ; pad.199@56.063,16.083 68.915,16.083 71.709,13.289 71.709,6.507 74.975,3.241 78.782,3.241 79.482,3.942 M1.10@79.482,4.844
  Bottom Layer w0.204: pad.198@45.244,35.973 45.244,29.242 43.771,27.768 43.771,13.974 43.312,13.515 43.312,3.586 43.998,2.9 46.462,2.9 48.773,5.212 48.773,11.943 47.884,12.832 47.884,13.492 48.164,13.772 55.504,13.772 56.063,14.33 pad.199@56.063,16.083
NetM1_11: M1.11 pad.162 pad.164 pad.191 pad.192 pad.194 pad.195 pad.196 pad.197 U1.67 | length 89.8
  Top Layer w0.204: pad.197@35.057,16.337 36.149,15.244 36.149,13.746 37.648,12.248 pad.196@49.383,12.248 ; pad.194@36.937,30.485 pad.192@40.137,30.485 ; pad.191@40.137,35.997 41.382,35.997 41.744,36.359 U1.67@41.744,37.016 ; pad.195@56.139,16.515 69.169,16.515 72.116,13.568 pad.164@72.116,6.787 ; pad.162@79.888,3.281 80.752,4.145 M1.11@80.752,4.844
  Bottom Layer w0.204: pad.197@35.057,16.337 35.057,21.772 35.997,22.712 35.997,23.881 36.632,24.516 36.632,30.18 pad.194@36.937,30.485 ; pad.192@40.137,30.485 pad.191@40.137,35.997 ; pad.196@49.383,12.248 55.631,12.248 56.774,13.391 56.774,15.88 pad.195@56.139,16.515 ; pad.164@72.116,6.787 72.116,6.05 74.935,3.231 pad.162@79.888,3.231
NetM2_4: M2.4 pad.1@6.992,43.187 TP1.1 | length 3
  Top Layer w0.204: pad.1@6.992,43.187 M2.4@8.467,43.187
  Bottom Layer w0.204: pad.1@6.992,43.187 TP1.1@8.472,43.187
NetM2_5: M2.5 pad.2@7.034,41.73 TP2.1 | length 2.9
  Top Layer w0.204: pad.2@7.034,41.73 M2.5@8.467,41.73
  Bottom Layer w0.204: pad.2@7.034,41.73 TP2.1@8.472,41.73
NetM2_6: M2.6 pad.3@6.999,40.273 TP3.1 | length 2.9
  Top Layer w0.204: pad.3@6.999,40.273 M2.6@8.467,40.273
  Bottom Layer w0.204: pad.3@6.999,40.273 TP3.1@8.472,40.273
NetM2_7: M2.7 pad.4@6.99,38.816 TP4.1 | length 3
  Top Layer w0.204: pad.4@6.99,38.816 M2.7@8.467,38.816
  Bottom Layer w0.204: pad.4@6.99,38.816 TP4.1@8.472,38.816
NetM2_8: M2.8 pad.5@7.076,37.359 TP5.1 | length 2.8
  Top Layer w0.204: pad.5@7.076,37.359 M2.8@8.467,37.359
  Bottom Layer w0.204: pad.5@7.076,37.359 TP5.1@8.472,37.359
NetM2_12: M2.12 pad.145@28.381,24.766 pad.147 R26.1 U1.97 | length 38.1
  Top Layer w0.204: R26.1@7.143,31.602 8.395,31.602 M2.12@8.467,31.531 12.786,31.531 13.035,31.78 19.385,31.78 21.29,33.685 23.5,33.685 24.465,32.72 pad.147@28.25,32.72 ; pad.145@28.381,24.766 U1.97@35.994,24.766
  Bottom Layer w0.204: pad.147@28.25,32.72 28.354,32.616 28.354,24.793 pad.145@28.381,24.766
NetM2_13: M2.13 pad.146@28,24.266 pad.148 U1.98 | length 36.5
  Top Layer w0.204: M2.13@8.467,30.074 11.964,30.074 13.244,31.354 19.492,31.354 20.427,32.288 pad.148@27.996,32.288 ; pad.146@28,24.266 U1.98@35.994,24.266
  Bottom Layer w0.204: pad.146@28,24.266 pad.148@28,32.284
NetM2_16: M2.16 pad.152@31.146,31.298 pad.155@31.146,35.184 U1.52 | length 44.3
  Top Layer w0.204: M2.16@12.507,28.874 12.507,29.896 13.451,30.84 22.891,30.84 23.348,31.298 pad.152@31.146,31.298 ; pad.155@31.146,35.184 31.171,35.209 33.508,35.209 34.016,35.717 36.911,35.717 37.646,34.982 48.368,34.982 49.244,35.858 U1.52@49.244,37.016
  Bottom Layer w0.204: pad.152@31.146,31.298 pad.155@31.146,35.184
NetM2_21: M2.21 pad.101@26.294,36.632 pad.104@26.091,27.996 U1.55 | length 40.2
  Top Layer w0.204: M2.21@19.607,28.874 19.607,28.257 19.893,27.97 pad.104@26.091,27.97 ; pad.101@26.294,36.632 31.984,36.632 34.575,39.222 46.894,39.222 47.744,38.372 U1.55@47.744,37.016
  Bottom Layer w0.204: pad.104@26.091,27.996 26.091,36.428 pad.101@26.294,36.632
NetM2_22: M2.22 pad.102@26.574,36.225 pad.103@26.574,28.859 U1.56 | length 36.1
  Top Layer w0.204: M2.22@21.027,28.874 pad.103@26.574,28.874 ; pad.102@26.574,36.225 32.212,36.225 34.904,38.916 46.336,38.916 47.244,38.008 U1.56@47.244,37.016
  Bottom Layer w0.204: pad.103@26.574,28.859 pad.102@26.574,36.225
NetM2_28: M2.28 R66.1 | length 1.3
  Top Layer w0.204: M2.28@22.227,37.359 R66.1@23.535,37.359
NetM2_29: M2.29 R64.1 R65.1 | length 2.3
  Top Layer w0.204: M2.29@22.227,38.816 23.551,38.816 ; R65.1@23.551,38.333 23.551,38.816 ; R64.1@23.551,39.299 23.551,38.816
NetM2_33: M2.33 U1.51 | length 42.2
  Top Layer w0.24: M2.33@22.227,44.644 21.533,44.644 21.189,44.988 21.189,46.385 21.646,46.842 23.043,46.842 23.627,46.258 23.627,42.22 26.142,39.705 26.142,37.8 26.964,36.978 31.721,36.978 34.346,39.603 49.103,39.603 49.744,38.963 U1.51@49.744,37.016
NetM2_34: M2.34 pad.33@33.66,34.777 pad.93@37.75,32.11 U1.39 | length 41.1
  Top Layer w0.24: M2.34@22.227,46.101 22.845,46.101 23.195,45.75 23.195,42.118 25.75,39.563 25.75,39.116 25.735,39.101 25.735,35.539 26.497,34.777 pad.33@33.66,34.777 ; pad.93@37.75,32.11 44.354,32.11 46.055,30.409 50.287,30.409 50.93,29.766 U1.39@51.494,29.766
  Bottom Layer w0.24: pad.33@33.66,34.777 33.66,33.782 35.331,32.11 pad.93@37.75,32.11